# Altium PCB UAVPoS_V2_0.PcbDoc (part 1 of 3)
Units mm, origin at the board's own origin, x right, y up, seen from the top; angles counter-clockwise.
Board outline 222.6 x 240.1 mm, 2 copper layers (Top Layer, Bottom Layer); 196 components, 103 nets, 652 pads, 564 vias.
Unrouted connection lines stored in the file: 6.
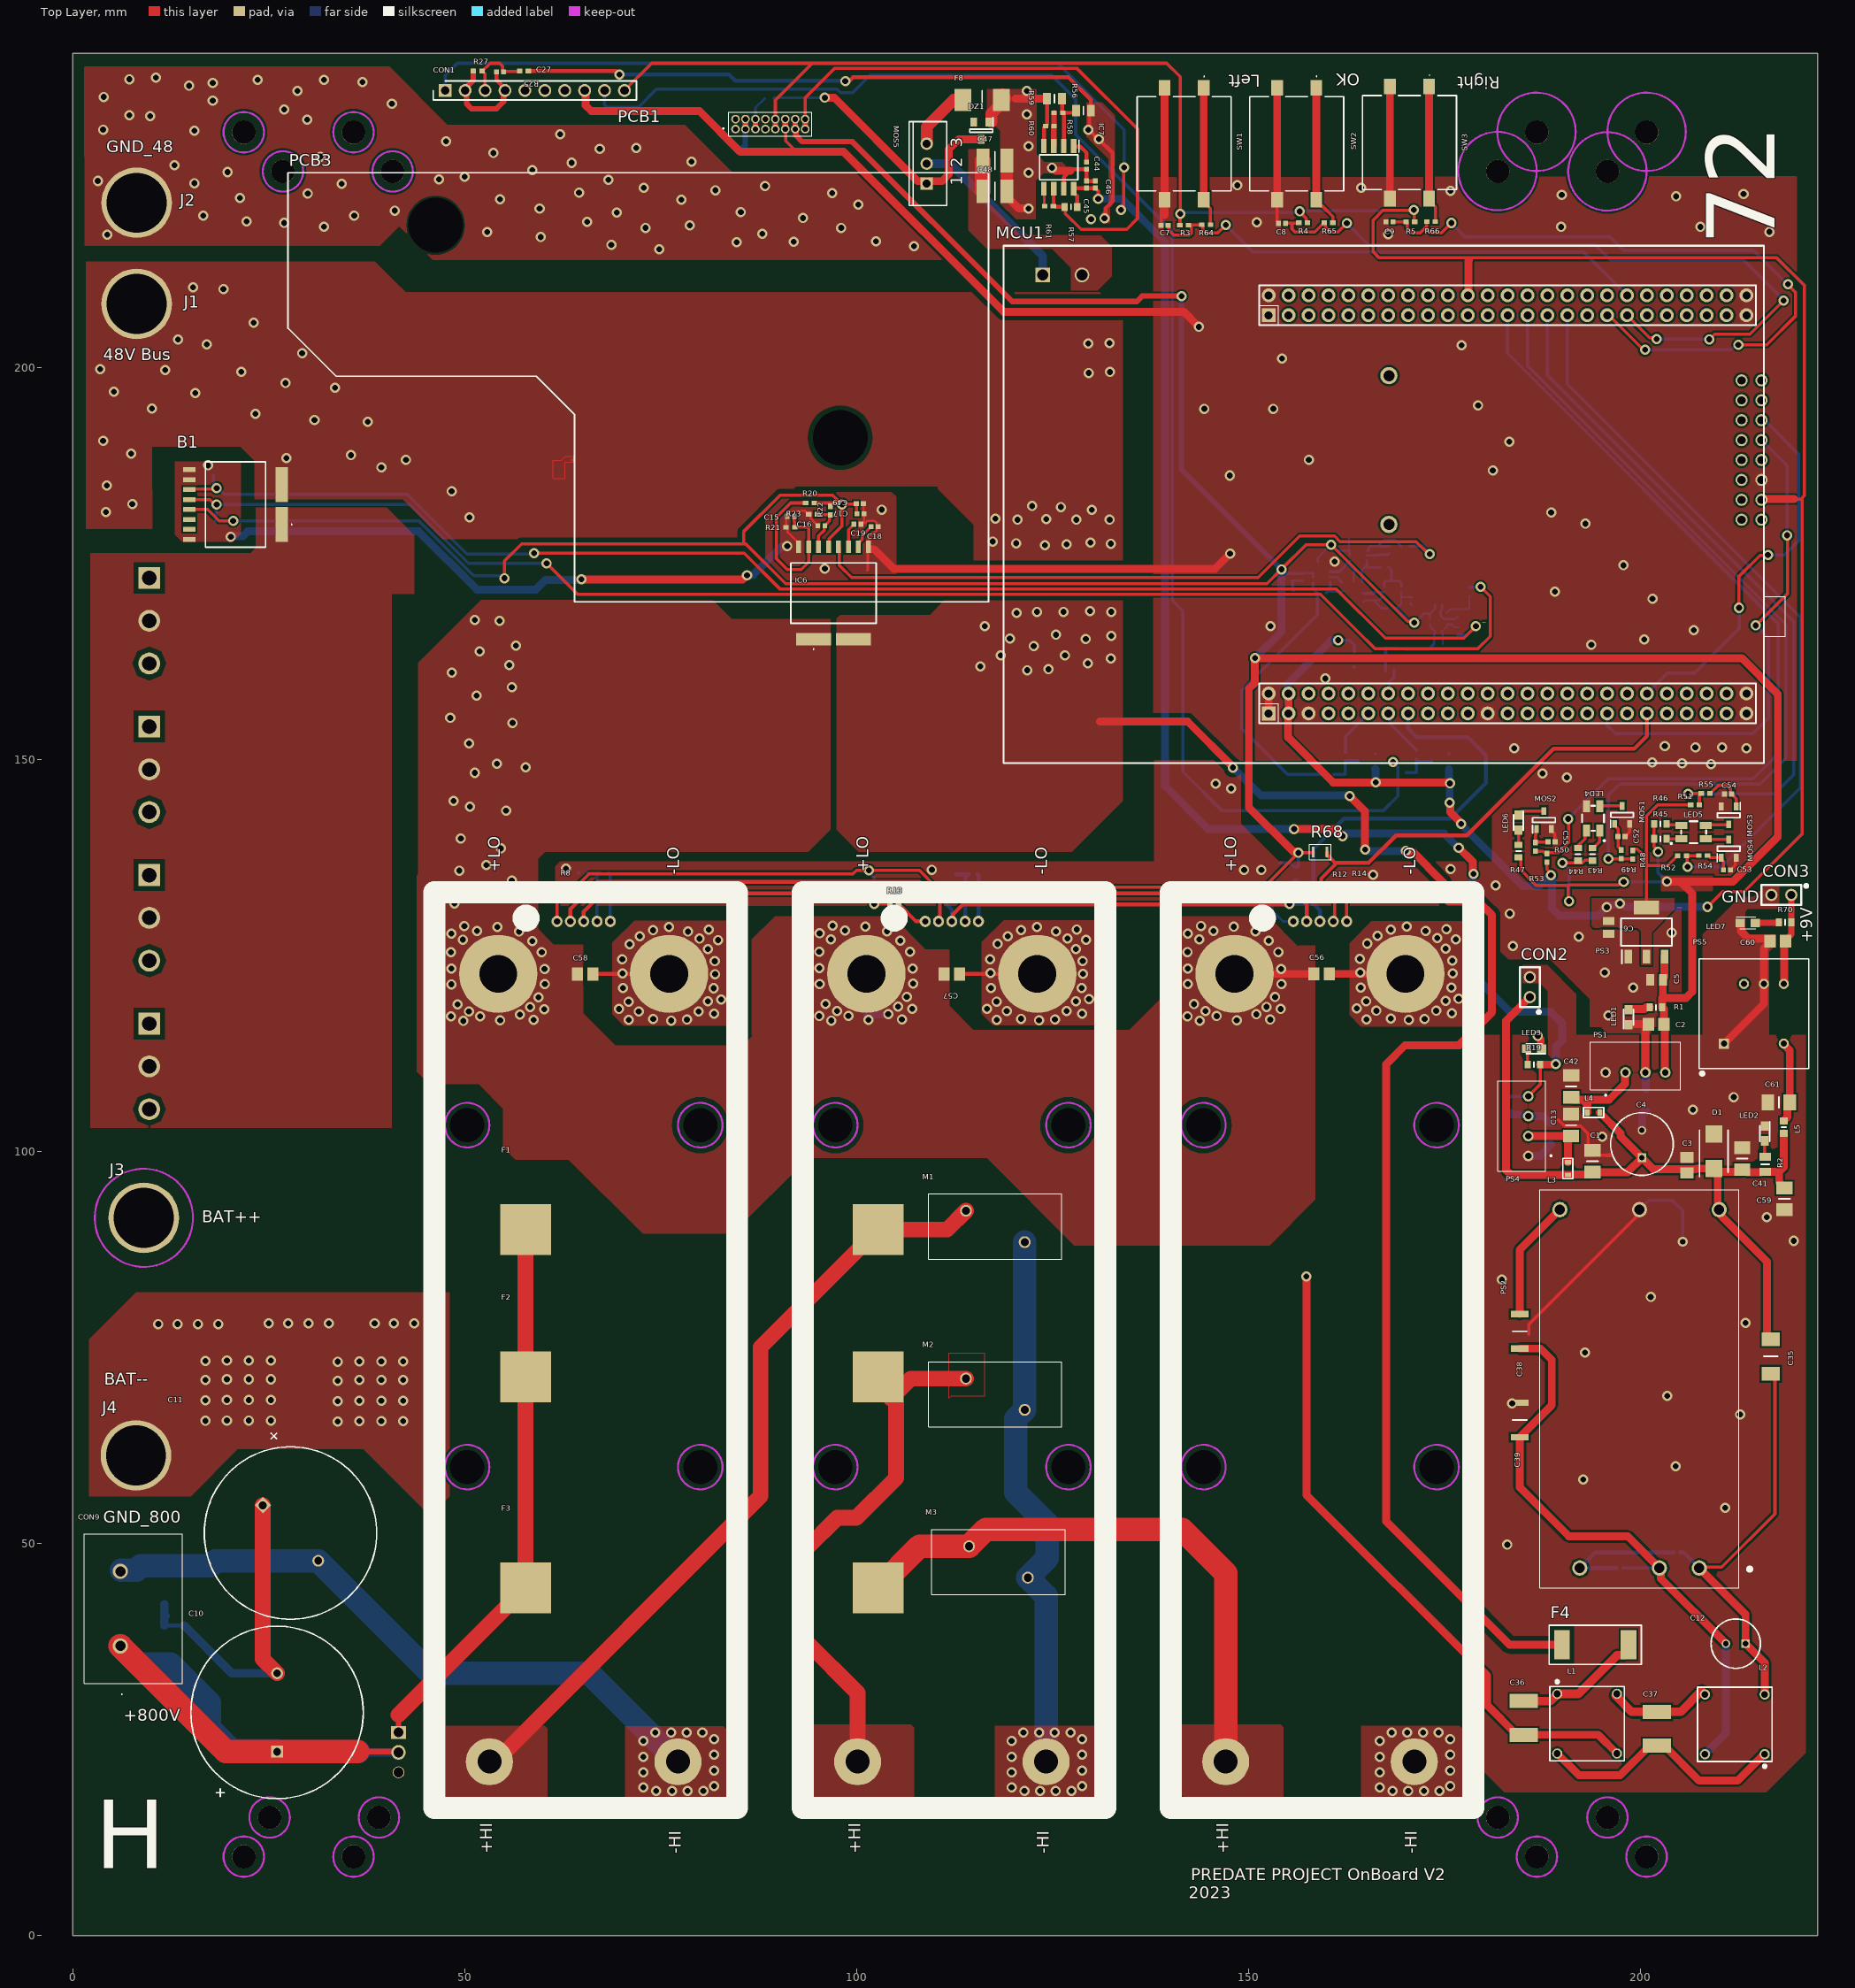
[diagram p0: Top Layer view]
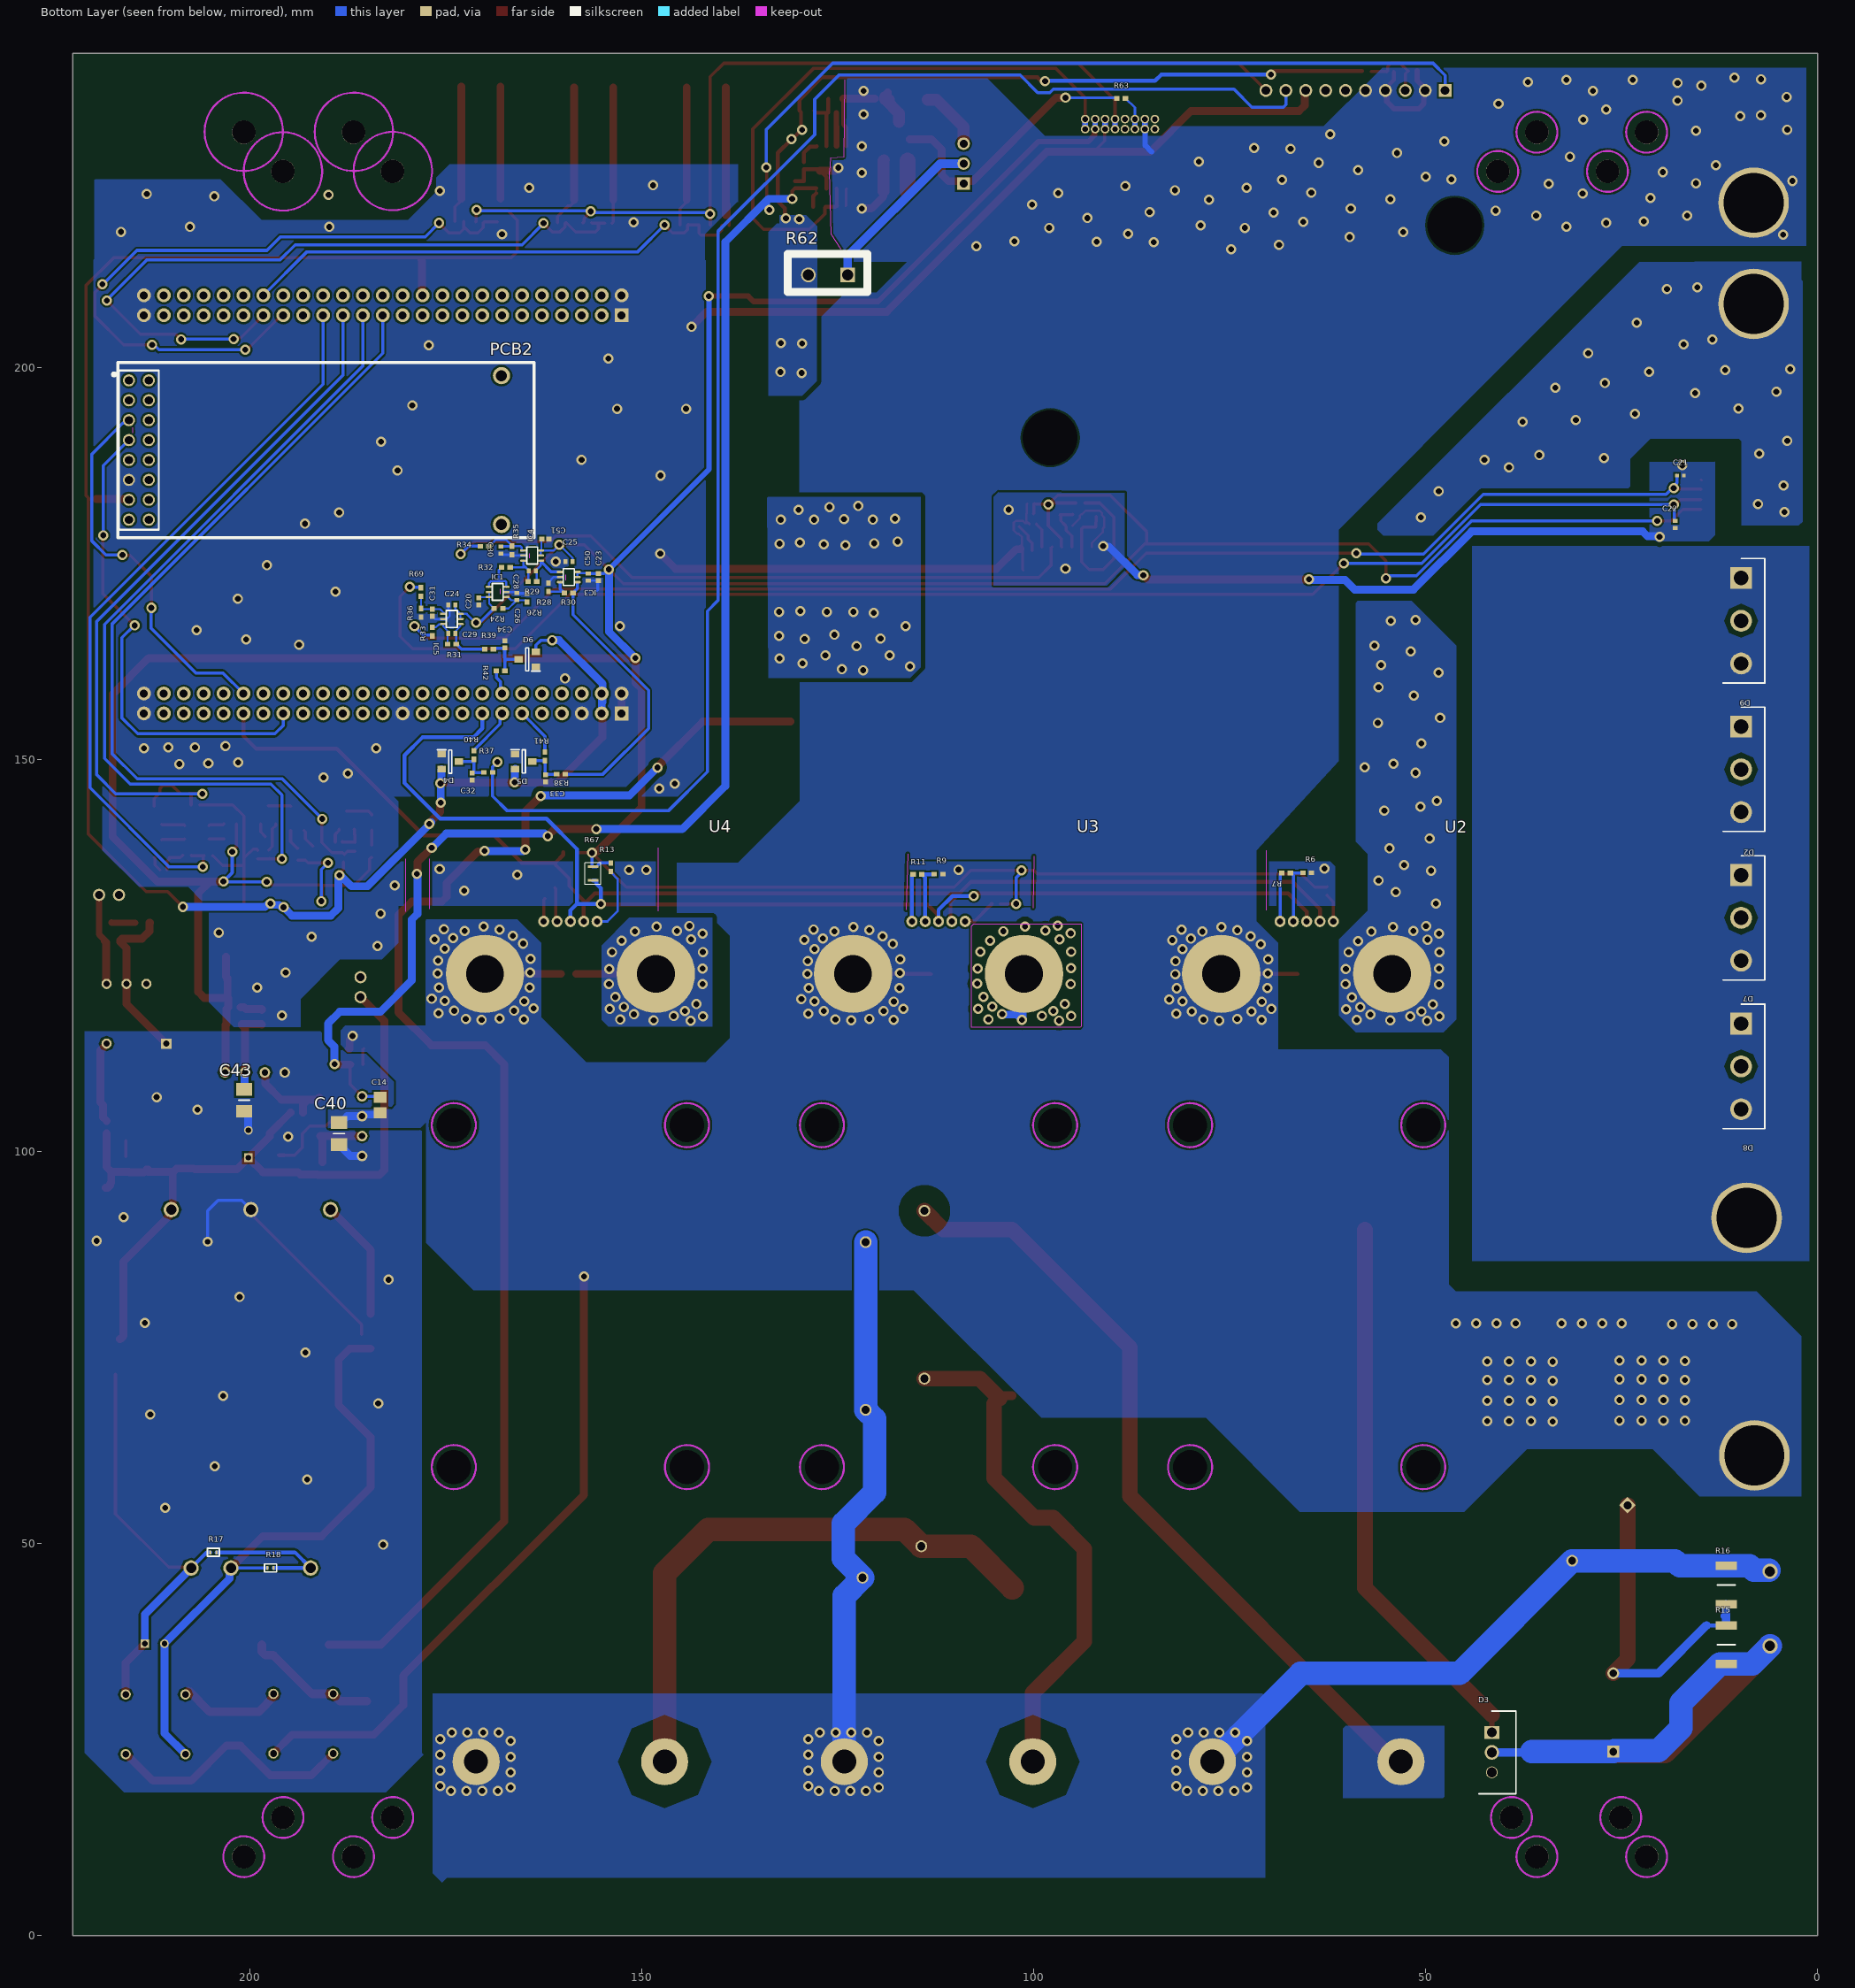
[diagram p1: Bottom Layer view, seen from below]

## Layer stack, top to bottom
Top Solder: solder mask 0.0102, Solder Resist, Dk 3.5
Top Layer: signal copper 0.035
Dielectric 1: dielectric 0.32, FR-4, Dk 4.8
Bottom Layer: signal copper 0.035
Bottom Solder: solder mask 0.0102, Solder Resist, Dk 3.5

## Board outline
-0.05,0 ccw(c0,0) 0,-0.05 222.504,-0.05 ccw(c222.504,0) 222.554,0 222.554,240 ccw(c222.504,240) 222.504,240.05 0,240.05 ccw(c0,240) -0.05,240

## Design rules (kind name [scope] priority, off if disabled: settings)
Clearance Clearance_2 [InNet('+800V') OR InNet('BCM1+') OR InNet('BCM2+') OR InNet('BCM3+')] p1: gap=2.5 ignorepadtopadclearanceinfootprint=TRUE
Clearance Clearance_1 [(InNet('+BAT48') OR InNet('48V_BUS') OR InNet('BCM_LO+'))] p2: gap=0.6 ignorepadtopadclearanceinfootprint=TRUE
Clearance [All] p3: gap=0.254 ignorepadtopadclearanceinfootprint=TRUE except(0: Arc-Hole Track-Hole SMDPad-Hole THPad-Hole Via-Hole Fill-Hole Poly-Hole Region-Hole Text-Hole; 0.05: SMDPad-SMDPad)
MinimumSolderMaskSliver [All] p1: minsoldermaskwidth=0.05
PlaneConnect [All] p1: planeconnectstyle=Relief reliefexpansion=0.508 reliefentries=4 reliefconductorwidth=0.7 reliefairgap=0.254
PolygonConnect [All] p1: connectstyle=Relief reliefconductorwidth=0.254 reliefentries=4 polygonreliefangle="90 Angle" airgapwidth=0.254
RoutingVias [All] p1: holewidth=0.711 width=1.27 viastyle="Through Hole" minholewidth=0.2 minwidth=0.5 maxholewidth=0.9 maxwidth=1.35
SilkToSilkClearance [All] p1: silktosilkclearance=0.1
SilkToSolderMaskClearance [IsPad] p1: minsilkscreentomaskgap=0.1 clearancetoexposedcopper=TRUE
SolderMaskExpansion [All] p1: expansion=0.102 istentingtop=FALSE
UnRoutedNet [All] p1: checkbadconnections=TRUE
Width Width_5 [InNet('+5')] p1: maxlimit=1 minlimit=0.1 preferedwidth=0.254 minimp=50.000000 maximp=50.000000 favimp=50.000000
Width Width_4 [(InNet('NetC13_1') OR InNet('+5_V48') OR InNet('NetC42_1') OR InNet('NetPS7_9') OR InNet('+3V3') OR InNet('NetPS7_6') OR InNet('NetPS7_5'))] p2: maxlimit=1 minlimit=0.254 preferedwidth=0.3 minimp=50.000000 maximp=50.000000 favimp=50.000000
Width Width_3 [(InNet('+12') OR InNet('GND_FANS'))] p3: maxlimit=1 minlimit=0.1 preferedwidth=0.254 minimp=50.000000 maximp=50.000000 favimp=50.000000 checkconnectedcopper=TRUE
Width Width_2 [(InNet('BCM_LO+') OR InNet('GND_48'))] p4: maxlimit=22 minlimit=0.2 preferedwidth=18 toplayer_minwidth=0.3 minimp=50.000000 maximp=50.000000 favimp=50.000000
Width Width_1 [(InNet('+800V') AND InNet('GND_800V'))] p5: maxlimit=1.2 minlimit=0.254 preferedwidth=1.1 minimp=50.000000 maximp=50.000000 favimp=50.000000
Width Width48 [InNet('48V_BUS')] p6: maxlimit=5 minlimit=0.3 preferedwidth=4.7 minimp=50.000000 maximp=50.000000 favimp=50.000000
Width [(InNet('NetD3_1') AND InNet('BCM1+') AND InNet('BCM2+') AND InNet('BCM3+'))] p7: maxlimit=1.2 minlimit=0.5 preferedwidth=1.1 bottomlayer_minwidth=1 minimp=50.000000 maximp=50.000000 favimp=50.000000
25 further rules are at their usual default settings.

## Classes and differential pairs
component class U_Regenerative_Braking_Protection: C44 C45 C46 C47 C48 DZ1 F8 IC7 MOS5 PCB1 R56 R57 R58 R59 R60 R61 R62 R63
component class U_Communication: PCB2 PCB3
component class U_PS_Power: C1 C2 C3 C4 C5 C6 C12 C13 C14 C35 C36 C37 C38 C39 C40 C41 C42 C43 C59 C60 C61 CON3 D1 F4 L1 L2 L3 L4 L5 LED1 LED2 LED3 LED7 PS1 PS2 PS3 PS4 PS5 R1 R2 R17 R18 R19 R70
component class U_Power: C10 C11 C56 C57 C58 D2 D3 D7 D8 D9 F1 F2 F3 F5 F6 F7 M1 M2 M3 R6 R7 R8 R9 R10 R11 R12 R13 R14 R15 R16 R67 R68 U2 U3 U4
component class U_MCU: D4 D5 D6 MCU1 R40 R41 R42
component class U_HMI: C7 C8 C9 C52 C53 C54 C55 LED4 LED5 LED6 MOS1 MOS2 MOS3 MOS4 R3 R4 R5 R43 R44 R45 R46 R47 R48 R49 R50 R51 R52 R53 R54 R55 R64 R65 R66 SW1 SW2 SW3
component class U_Measurements: B1 C15 C16 C17 C18 C19 C20 C21 C22 C23 C24 C25 C26 C27 C28 C29 C30 C31 C32 C33 C34 C49 C50 C51 CON1 IC1 IC3 IC4 IC5 IC6 R20 R21 R22 R23 R24 R25 R26 R27 R28 R29 R30 R31 R32 R33 R34 R35 R36 R37 R38 R39 R69
component class U_Connectors: CB1 CON2 CON9 CR1 CR2 CR3 CR4 CR5 CR6 J1 J2 J3 J4

## Components (designator, comment, footprint, x,y, rotation, side; value= is the part's Value field where it differs from the comment)
B1 "CZ3706" CZ3706 20.7,182.5 r180 top
C1 "4.7uF/50V" C1206 193.85,97.325 r90 top
C2 "10uF/16V" C0805#1 202.955,116.203 r180 top
C3 "1uF/50V" C0805#1 205.894,97.22 r90 top
C4 "120uF/50V" Cap_THT_O8mm 200.156,99.164 r90 top
C5 "10uF/16V" C0805#2 202.025,121.85 r180 top
C6 "10uF/16V" C0805#2 195.925,128.55 r270 top
C7 "0.1uF/25V" C0402#1 139.7,218.125 r180 top
C8 "0.1uF/25V" C0402#1 154.675,218.375 r180 top
C9 "0.1uF/25V" C0402#1 168.4,218.575 r180 top
C10 "150uF/500V" Cap_THT_O22mm-Lead10mm 26,23.4 r90 top
C11 "150uF/500V" Cap_THT_O22mm-Lead10mm 24.179,54.821 r315 top
C12 "10uF/100V" Cap_THT_O6mm-Lead2.5mm 213.375,37.175 r180 top
C13 "4.7uF/50V" C1206 191.097,101.934 r90 top
C14 "10uF/16V" C0805#1 183.35,106.875 r270 bottom
C15 "3.3nF/25V" C0402#2 92,181 r180 top
C16 "3.3nF/25V" C0402#2 95.9,179.8 r180 top
C17 "0.1uF/25V" C0402#2 100,181.318 r0 top
C18 "3.3nF/25V" C0402#2 101.793,179.689 r0 top
C19 "3.3nF/25V" C0402#2 99.6,180 r0 top
C20 "0.1uF/25V" C0402#2 170.775,170.597 r270 bottom
C21 "1nF/25V" C0402#3 17.9,186.2 r180 bottom
C22 "1nF/25V" C0402#4 18.1,179.5 r90 bottom
C23 "0.1uF/25V" C0402#2 155.502,173.7 r270 bottom
C24 "0.1uF/25V" C0402#5 174.203,169.7 r0 bottom
C25 "0.1uF/25V" C0402#4 158.802,175.225 r0 bottom
C26 "0.1uF/25V" C0402#4 165.925,170.297 r90 bottom
C27 "1nF/25V" C0402#2 54.9,237.7 r180 top
C28 "10pF/25V" C0402#4 164.375,174.038 r180 bottom
C29 "10pF/25V" C0402#4 174.653,166.05 r180 bottom
C30 "10pF/25V" C0402#4 167.931,177.15 r270 bottom
C31 "10pF/25V" C0402#6 176.703,168.7 r270 bottom
C32 "0.01uF/25V" C0402#1 171.6,148.25 r270 bottom
C33 "0.01uF/25V" C0402#1 162.237,148.025 r270 bottom
C34 "0.01uF/25V" C0402#1 167.45,164.225 r90 bottom
C35 "1000pF/2kV" C1808#1 216.578,73.825 r90 top
C36 "2.2uF/100V" C1812 185.067,27.7 r270 top
C37 "2.2uF/100V" C1812 202.075,26.325 r90 top
C38 "1000pF/2kV" C1808#2 184.556,77.017 r90 top
C39 "1000pF/2kV" C1808#2 184.556,65.7 r90 top
C40 "270pF/2kV" C1206 188.6,100.85 r90 bottom
C41 "4.7uF/50V" C1206 212.956,97.651 r90 top
C42 "4.7uF/50V" C1206 191.125,106.875 r90 top
C43 "270pF/2kV" C1206 200.7,105.1 r90 bottom
C44 "0.1uF/25V" C0402#1 129.3,226.175 r270 top
C45 "0.1uF/25V" C0402#1 129.3,223.775 r270 top
C46 "2.2uF/25V" C0402#1 130.4,222.875 r90 top
C47 "10uF/100V" C1210 117.6,226.375 r0 top
C48 "10uF/100V" C1210 117.6,222.475 r0 top
C49 "2.2uF/25V" C0402#1 99.9,182.6 r0 top
C50 "2.2uF/25V" C0402#4 156.802,173.7 r270 bottom
C51 "2.2uF/25V" C0402#1 162.725,178.117 r180 bottom
C52 "1nF/25V" C0402#1 197.1,140.15 r0 top
C53 "1nF/25V" C0402#1 210.55,135.875 r0 top
C54 "1nF/25V" C0402#1 211.6,145.562 r180 top
C55 "1nF/25V" C0402#1 188.175,139.471 r0 top
C56 "0.1uF/100V" C0805#1 158.3,122.625 r0 top
C57 "0.1uF/100V" C0805#1 111.12,122.6 r0 top
C58 "0.1uF/100V" C0805#1 64.32,122.6 r0 top
C59 "4.7uF/50V" C1206 218.35,95.325 r270 top
C60 "10uF/16V" C0805#1 218.48,126.8 r180 top
C61 "4.7uF/50V" C1206 219.025,106.225 r180 top
CON1 "SSQ-110-01-T-S" Con1x10_2.54 47.465,235.325 r180 top
CON2 "22-28-4024" Con1x02_2.54 185.85,119.66 r180 top
CON3 "22-28-4024" Con1x02_2.54 219.215,132.7 r270 top
CON9 "1714971" CON1X02_9.52mm 6,36.88 r90 top
D1 "SMBJ20A" DO-214AA-2 209.325,97.8 r90 top
D2 "VS-80CPQ020-N3" TO-247 9.7,154.182 r270 bottom
D3 "" TO-220 41.5,25.85 r270 bottom
D4 "BAT54S" sot-23-3 176.28,147.927 r180 bottom
D5 "BAT54S" sot-23-3 166.905,147.952 r180 bottom
D6 "BAT54S" sot-23-3 162.695,164.523 r0 bottom
D7 "VS-80CPQ020-N3" TO-247 9.7,135.228 r270 bottom
D8 "VS-80CPQ020-N3" TO-247 9.7,116.275 r270 bottom
D9 "VS-80CPQ020-N3" TO-247 9.7,173.135 r270 bottom
DZ1 "SZBZX84C18LT3G" SOT-23-3 115.85,230.2 r270 top
F1 "3574" 5AG_Holder 57.7,90 r0 top
F2 "3574" 5AG_Holder 57.7,71.2 r0 top
F3 "3574" 5AG_Holder 57.7,44.3 r0 top
F4 "" "fuse 1.6A 250V - duplicate" 194.2,37.025 r0 top
F8 "0679L2500-05" F2410 118.41,234.129 r180 top
IC1 "LMV981MG/NOPB" SC-70-6 167.25,170.697 r0 bottom
IC3 "LMV981MG/NOPB" SC-70-6 160.377,173.9 r180 bottom
IC4 "LMV981MG/NOPB" SC-70-6 165.05,176.65 r180 bottom
IC5 "LMV981MG/NOPB" SC-70-6 175.303,168.55 r180 bottom
IC6 "CZ3AG5" CZ3AG5 97,171.2 r90 top
IC7 "MC33161DR2G" SOIC-8 127.653,228.231 r270 top
J1 "XT150" XT150 8.1,208.1 r90 top
J2 "XT150" XT150 8.1,221 r90 top
J3 "XT150" XT150 9,91.5 r0 top
J4 "XT150" XT150 8,61.2 r0 top
L1 "TCK-075" TCK-075 189.355,30.775 r270 top
L2 "TCK-076" TCK-075 215.82,23.075 r90 top
L3 "6.8uH/0.3A" L3 190.7,97.784 r90 top
L4 "6.8uH/0.3A" L3 193.982,104.934 r180 top
L5 "6.8uH/0.3A" L0603 218.25,102.275 r90 top
LED1 "150080GS75000" L0805#1 198.45,117.093 r90 top
LED2 "150080GS75000" L0805#2 215.825,103.225 r270 top
LED3 "150080GS75000" L0805#2 187.35,113.076 r180 top
LED4 "150141RV73100" 3528_metric 194.775,140.925 r90 top
LED5 "150141RV73100" 3528_metric 205.2,139.85 r0 top
LED6 "150080GS75000" L0805#2 184.4,142.875 r270 top
LED7 "150080GS75000" L0805#2 212.7,129.125 r0 top
M1 "V625LA40AP" V625LA40AP 113.9,92.4 r0 top
M2 "V625LA40AP" V625LA40AP 113.9,71 r0 top
M3 "V625LA40AP" V625LA40AP 114.3,49.6 r0 top
MCU1 "STM32F407G-DISC1" STM32F407G-DISC1 215.715,149.519 r90 top
MOS1 "RK7002BMT116" SOT23-3-GSD 196.678,141.75 r90 top
MOS2 "RK7002BMT116" SOT23-3-GSD 186.7,141.1 r90 top
MOS3 "RK7002BMT116" SOT23-3-GSD 212.181,144 r270 top
MOS4 "RK7002BMT116" SOT23-3-GSD 210.281,137.45 r90 top
MOS5 "CSD19535KCS" TO-220-AB 108.9,226 r90 top
PCB1 "Comment" ADUM3221ARZ_Breakout 84.499,230.4 r0 top
PCB2 "Uart to Ethernet Converter" uart2ethernet 167.867,198.945 r180 bottom
PCB3 "Comment" "TP-Link MC220L" 27.414,224.778 r0 top
PS1 "PDSE1-S12-S5-S" SIP-4 195.516,110.05 r0 top
PS2 "TEN30-4812" 2''_x_1'' 207.465,46.825 r180 top
PS3 "TS1117BCW33RP" SOT-223-3 198.43,124.8 r90 top
PS4 "PDSE1-S12-S5-S" SIP-4 185.651,99.394 r90 top
PS5 "PQP3-D12-D9-D" DIP-5 210.635,113.727 r90 top
R1 "715R" R0603 201.15,118.35 r0 top
R2 "3k" R0805 215.875,98.325 r270 top
R3 "2k2" R0402#1 141.75,218.15 r180 top
R4 "2k2" R0402#1 156.925,218.45 r0 top
R5 "2k2" R0402#1 170.6,218.55 r0 top
R6 "0R" R0402#1 65.059,135.525 r180 bottom
R7 "1k87" R0402#1 67.75,135.475 r0 bottom
R8 "0R" R0402#1 62.525,133.2 r90 top
R9 "0R" R0402#1 112.1,135.35 r180 bottom
R10 "0R" R0402#1 104.75,131.55 r180 top
R11 "2K8" R0402#1 114.8,135.327 r180 bottom
R12 "0R" R0402#1 161.6,133.604 r0 top
R13 "0R" R0402#1 153.925,136.225 r90 bottom
R14 "3K92" R0402#1 161.775,132.2 r180 top
R15 "1M" R2010 11.6,39.5 r270 bottom
R16 "1M" R2010 11.6,47.1 r270 bottom
R17 "3K16" R0402#2 204.625,48.825 r180 bottom
R18 "3K16" R0402#2 197.331,46.825 r0 bottom
R19 "715R" R0603 185.573,111.049 r0 top
R20 "3k6" R0402#1 94,182.7 r180 top
R21 "1k4" R0402#1 91.5,179.6 r180 top
R22 "4k12" R0402#1 96.6,181.724 r270 top
R23 "845R" R0402#1 94.4,181.252 r180 top
R24 "1k4" R0402#1 168.25,169.247 r0 bottom
R25 "100k/0.1%" R0402#1 57.5,237.8 r0 top
R26 "604R/0.1%" R0402#1 164.601,170.622 r270 bottom
R27 "374R/0.1%" R0402#1 51.6,237.8 r0 top
R28 "2K" R0402#1 161.877,171.95 r90 bottom
R29 "2K" R0402#1 163.925,172.67 r180 bottom
R30 "1k4" R0402#1 159.302,171.202 r180 bottom
R31 "1k4" R0402#1 174.203,164.7 r180 bottom
R32 "2K" R0402#1 167.3,174.5 r180 bottom
R33 "1K02" R0402#1 176.703,166.3 r270 bottom
R34 "2K" R0402#1 170.025,177.175 r180 bottom
R35 "2K" R0402#1 166.525,176.65 r90 bottom
R36 "1k4" R0402#1 178.125,168.7 r90 bottom
R37 "100R" R0402#1 169.55,148.325 r0 bottom
R38 "100R" R0402#1 160.275,148.1 r0 bottom
R39 "100R" R0402#1 169.45,164.05 r180 bottom
R40 "100R" R0402#1 171.4,150.55 r90 bottom
R41 "100R" R0402#1 162.325,150.375 r90 bottom
R42 "100R" R0402#1 167.975,161.3 r0 bottom
R43 "715R" R0603 193.853,138.675 r270 top
R44 "715R" R0603 192,138.675 r270 top
R45 "715R" R0603 203.3,139.85 r180 top
R46 "715R" R0603 203.3,141.75 r180 top
R47 "715R" R0603 184.4,139.075 r270 top
R48 "2k2" R0402#1 198.975,137.825 r90 top
R49 "10R" R0402#1 197.5,137.875 r90 top
R50 "2k2" R0402#1 188.05,137.425 r270 top
R51 "2k2" R0402#1 206.925,144.2 r180 top
R52 "2k2" R0402#1 205.275,137.7 r180 top
R53 "10R" R0402#1 186.575,138.825 r270 top
R54 "10R" R0402#1 207.975,137.725 r0 top
R55 "10R" R0402#1 208.275,145.648 r180 top
R56 "43k/0.1%" R0805 128.9,232.775 r0 top
R57 "3K16" R0603 126.5,220.475 r0 top
R58 "TBD" R0402#1 125.7,232.475 r0 top
R59 "1k/0.1%" R0805 125.2,234.275 r0 top
R60 "0R" R0402#1 124.6,230.775 r0 top
R61 "TBD" R0402#1 124.5,220.575 r180 top
R62 "Through Hole MPT35 27R 1%" "Through Hole MPT35 27R 1%" 121.2,209.641 r90 bottom
R63 "10R" R0402#1 88.8,234.3 r0 bottom
R64 "100R" R0402#1 144.55,218.2 r0 top
R65 "100R" R0402#1 160.175,218.45 r0 top
R66 "100R" R0402#1 173.248,218.602 r0 top
R67 "3k" 0805_3k 156.2,135.425 r270 bottom
R68 "3k" 0805_3k 159.1,138.163 r0 top
R69 "1K02" R0402#1 178.15,171.35 r90 bottom